# Altium PCB 物联网通用工装板V4(2).PcbDoc (part 2 of 2)
Units mil, origin at the board's own origin, x right, y up, seen from the top; angles counter-clockwise.
Board outline 5118.11 x 2283.5 mil, 2 copper layers (Top Layer, Bottom Layer); 260 components, 222 nets, 814 pads, 478 vias.
Unrouted connection lines stored in the file: 4.
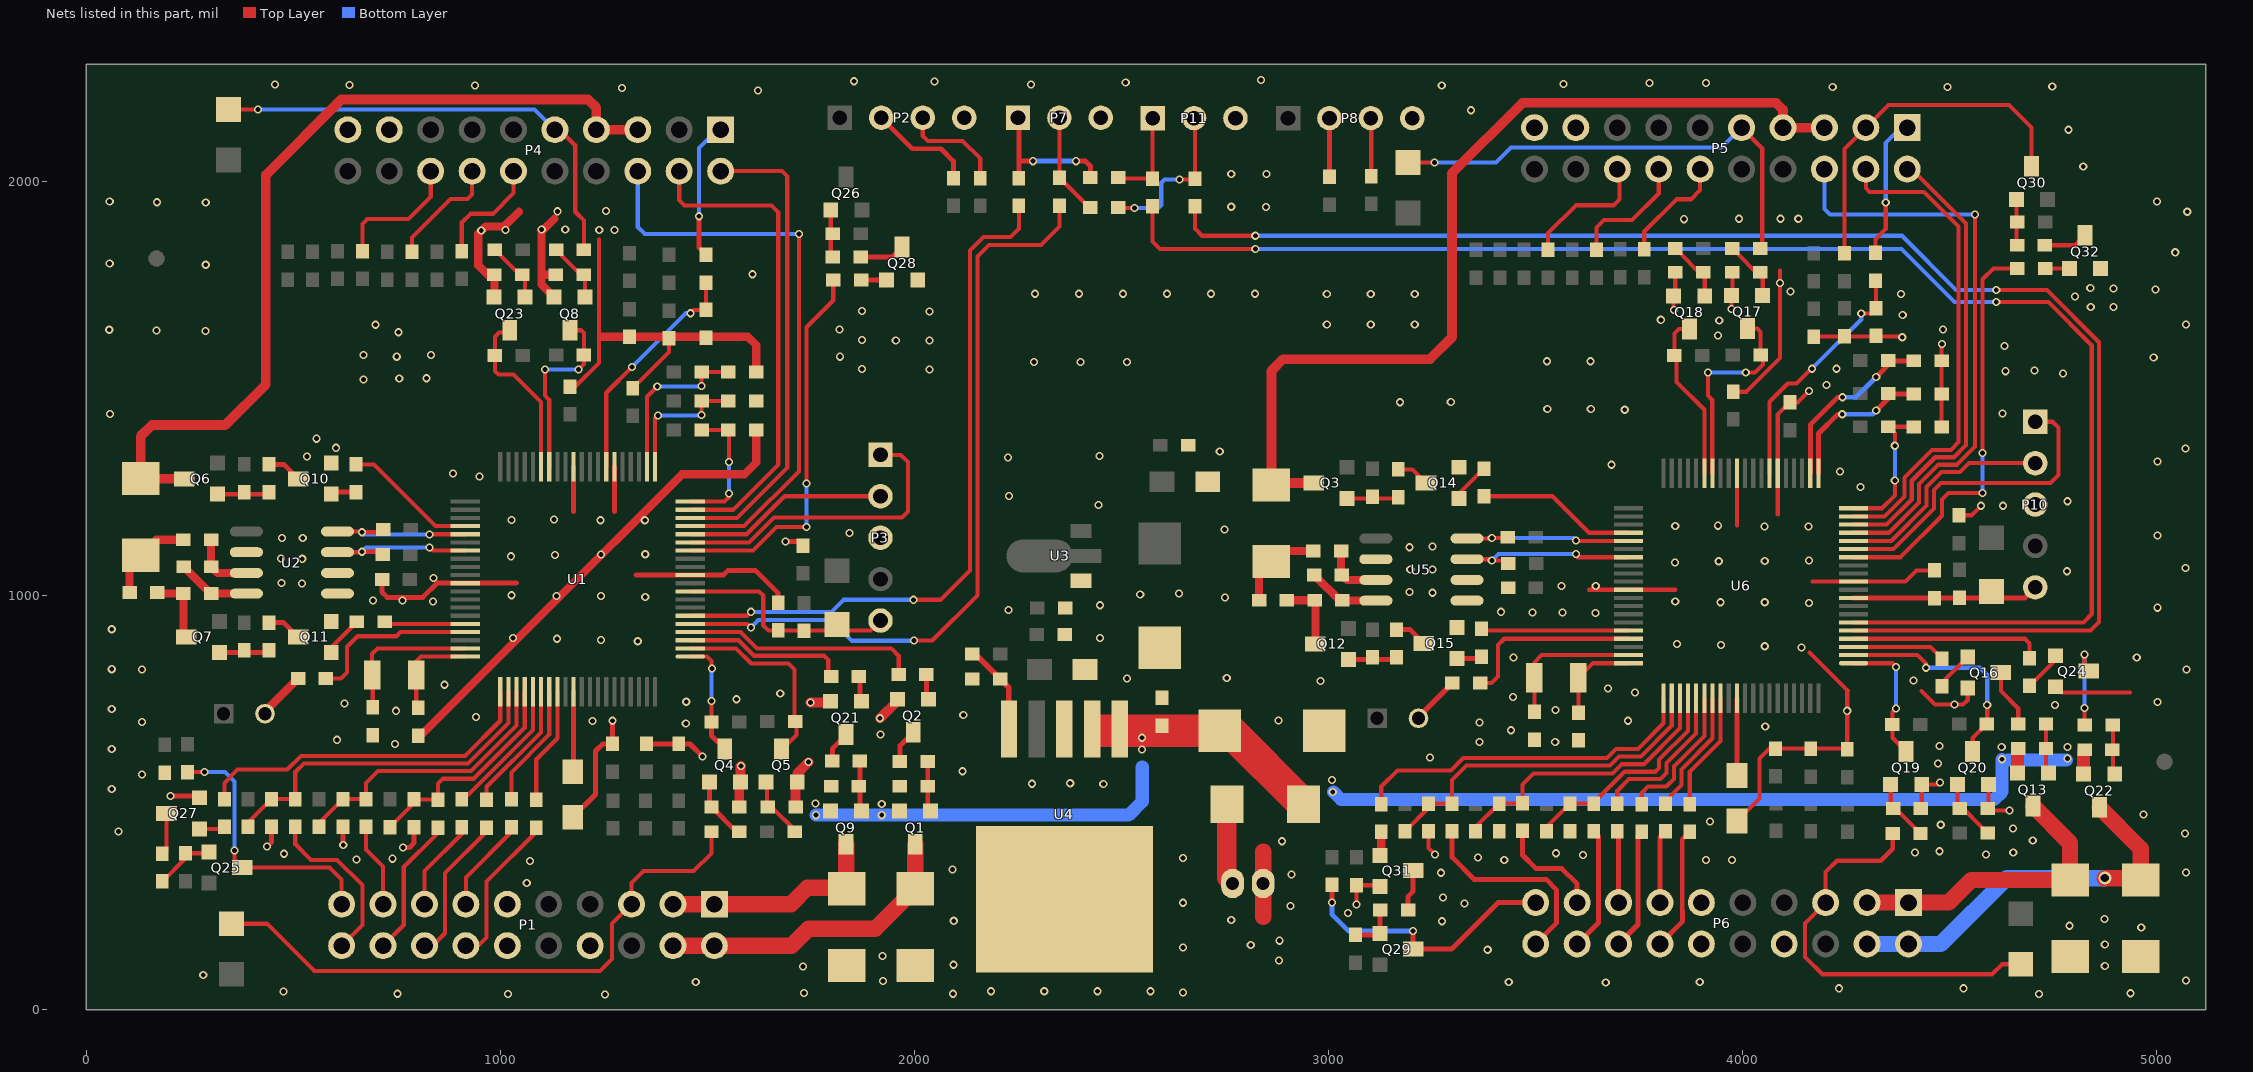
[diagram p2: the nets of this part, all layers, seen from the top]

## Via types
v1: diameter 19.68, hole 11.81, Top Layer to Bottom Layer, tented both sides, 469 vias
v2: diameter 31.5, hole 19.68, Top Layer to Bottom Layer, tented both sides, 9 vias

## Nets (pads, with @x,y where several pads share a name; then routed paths per layer and width w, separated by ;. In a path a pad name is that pad's centre, name@x,y a point inside that pad or via, vN(x,y) a via of type N, cw(c..) or ccw(c..) an arc to the next point about the centre after c; other vN are vias at no path point) (continued)
GND: C1.2 C2.1 C3.2 C4.1 C5.2 C6.2 C7.2 C8.2 C9.2 C10.2 C12.2 C13.2 C14.2 C15.2 C16.2 C17.2 C19.2 C20.2 C21.2 C22.2 C23.2 C24.2 C25.2 C26.2 D1.1 D7.1 D10.1 D11.1 P1.8 P1.11 P1.12 P2.4 P3.3 P4.17 P4.19 P5.17 P5.19 P6.8 P6.11 P6.12 P7.3 P8.4 P9.1 P10.3 P11.3 Q2.E Q4.E Q5.E Q8.E Q10.E Q11.E Q14.E Q15.E Q16.E Q17.E Q18.E Q19.E Q20.E Q21.E Q23.E Q24.E Q27.E Q28.E Q31.E Q32.E R2.2 R12.2 R13.2 R24.2 R25.2 R26.2 R27.2 R39.1 R52.1 R53.1 R54.1 R70.2 R71.2 R72.2 R82.2 R83.2 R84.2 R91.1 R92.1 R93.1 R111.2 R113.2 R114.2 R115.2 R116.2 R117.2 R118.2 R141.2 R144.2 R146.2 R148.2 R150.2 R152.2 R154.2 R164.2 U1.11 U1.26 U1.31 U1.51 U2.1 U2.2 U2.6 U3.1 U4.3 U4.6 U5.1 U5.2 U5.6 U6.11 U6.26 U6.31 U6.51 | length 8316
  Top Layer w10: C17.2@1168,1505 1181,1505 1238,1562 1238,1860 ; C5.2@1320,1501 1407,1588 R25.2@1407,1621 R25.2@1407,1625 ; v1(3067,254) R164.2@3067,301 3121,301 Q31.E@3124,298 ; R154.2@3241,431 3241,391 v1(3257,375) ; 3628.83,1014.16 U6.51@3724,1014.16 3836.83,1014.16 ; v1(3834,1690) 3833,1691 Q18.E@3833,1724 3837,1728 R116.2@3837,1781 ; v1(3973,1692) Q17.E@3973,1725 3975,1727 R115.2@3975,1781 ; C21.2@3977,1492.51 4008.51,1492.51 4090,1574 v1(4090,1755) 4090,1785 ; 3985.81,1169.81 U6.31@3985.81,1295.66 U6.31@3985.89,1295.74 ; C19.2@3986,456 4040,510 4040,607 4064,631 R84.2@4079,631 4250,631 R82.2@4252,629 4252,772 ; 4084.24,1195.76 U6.26@4084.24,1295.66 4084.24,1437.74 C22.2@4113,1466.51 ; C22.2@4114,1466.51 4132.51,1466.51 v1(4160,1494) ; 4161,863 4252,772 ; 4168,1033.85 U6.11@4267.31,1033.85 4392.33,1033.85 4419.48,1061 C26.2@4463,1061 ; R70.2@4171.35,1625.44 4383.56,1625.44 v1(4385,1624) ; 4254,770 4252,772 ; R117.2@4430,486 4432,488 Q19.E@4432,544 4471,544 v1(4476,549) ; 4431,770 4464,737 v1(4511,737) 4532,737 4543,748 Q16.E@4543,777 ; R91.1@4480,1407 R93.1@4480,1567 4480,1607 v1(4481,1608) ; C24.2@4522,1194 4552,1194 v1(4575,1217) ; Q20.E@4593,544 4593,488 R118.2@4591,486 4596,481 v1(4644,481) ; Q24.E@4755,780 4769,766 4935,766
  Top Layer w11.81: v1(204,516) 270,516 Q27.E@274,512 ; v1(437,394) 448,405 R148.2@448,442 ; R144.2@620,442 620,399 v1(621,398) ; C6.2@714.49,1039 714.49,1008.51 727,996 813,996 847.16,1030.16 U1.51@915.35,1030.16 1038.84,1030.16 ; v1(765,392) 781,392 792,403 R146.2@792,441 ; C16.2@1175,465 1230,520 1230,625 1247,642 R13.2@1271,642 v1(1271,698) ; 1177.16,1203.16 U1.31@1177.16,1311.65 ; 1272.5,1126.5 1275.58,1129.58 ; 1275.58,1203.58 U1.26@1275.58,1311.65 ; 1327.16,1049.84 U1.11@1458.65,1049.84 1538.84,1049.84 1549.62,1060.62 1616.38,1060.62 1671,1006 C9.2@1671,983 ; R12.2@1353,642 R27.2@1431,642 1458,642 v1(1488,612) ; v1(1689,1131) 1721,1131 C7.2@1731,1121
  Top Layer w19.68: C10.2@802,661.98 807.98,661.98 1272.5,1126.5 ; Q23.E@985,1721 986,1722 R111.2@986,1775 969,1775 947,1797 947,1874 964,1891 1009,1891 1045,1927 ; v1(1100,1884) 1099.78,1883.78 v1@1099.78,1878.78 ; Q8.E@1130,1721 1099.78,1751.22 1099.78,1774 ; 1131,1910 v1@1099.78,1878.78 ; R39.1@1134,1775 1100.78,1775 1099.78,1774 ; 1245,1625 R24.2@1312,1625 1407,1625 1598,1625 1618,1605 R54.1@1618,1540 ; 1275.58,1129.58 1439,1293 1589,1293 1618,1322 R52.1@1618,1400 ; 1099.78,1774 v1@1099.78,1878.78
  Top Layer w23.62: R113.2@1577,490 1577,547 Q4.E@1580,550 1580,588 v1(1581,589) ; R114.2@1713,490 1713,546 Q5.E@1717,550 1717,571 v1(1744,598) ; v1(1749,742) 1794,742 Q21.E@1797,745 ; v1(1917,704) 1959,746 Q2.E@1959,750
  Top Layer w39.37: 2842,224.11 P9.1@2842,305 2842,382.11
  other v1: 1253,37 1019,38 4715,38 752,39 2093,39 4936,40 1733,41 2648,42 477,44 2185,45 2313.33,45 2441.67,45 2570,45 4232,52 4533,52 3669,66 1472,67 3435,67 3896,67 1924,70 5070,71 283,84 1731,105 4874,106 2094,109 2880,119 1923,130 3384,145 2648,150.33 2812,157 4874,158 2881,167 4962,199 4789,203 3274,214 2095,215 2765,217 4873,219 3047,234 2908,251 3328,257 2648,258.67 3276,271 1064,306 2910,327 3271,331 5070,332 2092,339 1072,359 3424,362 3911,362 3974,362 653,363 740,365 2648,367 3361,368 3614,374 4587,375 478,377 3549,378 4416,380 4653,380 4475,383 2887,407 4700,409 5068,426 78,431 4652,438 4478,447 3921,455 4967,472 62,533 2456,545 2284,546 2376,547 135,568 2116,576 4471,595 3245,609 62,629.5 4475,637 746,642 3364,647 3547,647 606,652 1918,665 3440,675 4054.11,684 1448,691 3364,694 135,695 1223,697 3723,698 2879,699 941,707 2118,712 748,722 4252,722 3548,724 62,726 4754,736 624,740 5001,743 1449,744 1570,750 3445,755 1676,764 3740,766 3674.11,776 865.11,785 2980,794 4412,795 2513,800 2754,801 135,822 5071,822 62,822.5 3446,851 4951,851 4142,875 4053,878 3947,881 3841,883 1332,890 1243,893 1137,896 1031,898 2448,898 62,919 3644,958 3492,959 3565,959 3416,961 2227,965 5001,971 2448,977 4160,982 3946,984 4053,984 838,986 3837,986 693,988 764,988 2750,996 1350,997 1136,999 1243,999 1027,1001 2545,1003 2639,1005 3251,1007 3195,1009 3562,1023 3645,1023 521,1029 472,1031 839,1043 4783,1059 3197,1063 3251,1063 5069,1067 3836,1080 3942,1083 4053,1084 4160,1085 522,1089 471,1090 1026,1095 1132,1098 1243,1099 1350,1100 3195,1117 3251,1119 473,1139 523,1139 5001,1145 1843,1151 2749,1160 4052,1167 4159,1167 3837,1168 3940,1169 1242,1182 1349,1182 1027,1183 1130,1184 4628,1217 2444,1219 4784,1228 2228,1241 4284,1262 950,1288 886,1295 4235,1300 3683,1316 5001,1324 2226,1334 533,1336 2447,1337 2737,1348 5069,1355 603,1357 556,1379 58,1439 4627,1440 3715,1449 3528,1451 3633,1451 3172,1467 3295,1468 4202,1509 670,1522 756,1524 822,1525 4773,1536 4634,1542 4704,1544 2036,1546 1873,1547 4226,1548 2289,1564 2401,1564 2513,1564 3527,1566 3632,1566 4992,1575 750,1577 1820,1577 670,1581 833,1581 4632,1603 1955,1616 2036,1616 1873,1617 3940,1628 754,1636 288,1639 170,1640 56,1642 1819,1643 4483,1643 699,1654 2995.6,1655 3101.8,1655 3208,1655 5070,1655 3943,1664 3802,1666 4386,1678 2036,1686 1873,1687 4840,1697 4895,1697 4802,1722 2995.6,1728 3101.8,1728 3208,1728 4382,1728 2291,1729 2397.2,1729 2503.4,1729 2609.6,1729 2715.8,1729 2822,1729 4115,1734 4996,1739 4895,1742 4839,1743 1609,1776 289,1799 57,1802 5044,1829 954,1882 1013,1883 1239,1883 1276,1883 1157,1884 3858,1909 3991,1910 4091,1910 4134,1910 5073,1927 1138,1928 1255,1929 2849,1938 2765,1939 289,1949 171,1950 57,1952 5000,1952 2765,2018 2850,2018 4822,2036 4786,2125 3344,2172 1622,2220 1294,2226 4217,2228 4494,2228 4747,2229 939,2232 3273,2232 636,2233 456,2234 2281,2234 3567,2235 3775,2238 3911,2238 2510,2239 2048,2241 1854,2242 2837,2245
HALL1_PWR: D1.2 P1.2 P1.4 Q1.D | length 749.5
  Top Layer w39.37: P1.4@1417,155 P1.2@1517,155 1703,155 1744,196 1905.5,196 D1.2@2002,292.5 Q1.D@2002,400
HALL2_CHK: R121.1 U1.3 | length 393
  Top Layer w10: U1.3@1458.65,892.36 1574.92,892.36 1612.28,855 1782,855 1792,845 R121.1@1792,805
HALL2_PWR: D10.2 P1.1 P1.3 Q9.D | length 539.9
  Top Layer w39.37: P1.3@1417,255 P1.1@1517,255 1702,255 1741.5,294.5 1835,294.5 Q9.D@1835,400
HALL3_CHKS: R124.1 U6.4 | length 465.3
  Top Layer w10: U6.4@4267.31,896.06 4680.94,896.06 4692,885 R124.1@4692,849
HALL3_PWR: D11.2 P6.2 P6.4 Q22.D | length 945.6
  Top Layer w39.37: Q22.D@4861,489 4961,389 D11.2@4961,313.5 4956.5,318 v2(4874,318)
  Bottom Layer w39.37: P6.4@4300,159 P6.2@4400,159 4478,159 4637,318 v2(4874,318)
HALL4_CHKS: R66.1 U6.3 | length 225.4
  Top Layer w10: U6.3@4267.31,876.37 4452.63,876.37 R66.1@4481,848
HALL4_PWR: D7.2 P6.1 P6.3 Q13.D | length 727.9
  Top Layer w39.37: P6.3@4300,259 P6.1@4400,259 4497,259 4551.5,313.5 D7.2@4790,313.5 4790,403 Q13.D@4701,492
HALL_CHK: R9.1 U1.4 | length 572
  Top Layer w10: U1.4@1458.65,912.05 1580.51,912.05 1619.68,872.87 1944.13,872.87 1962,855 R9.1@1962,810
LED_CHK: R28.2 U1.57 | length 418.9
  Top Layer w10: R28.2@579,800 615,800 630,815 630,876.63 655.37,902 749,902 759.05,912.05 U1.57@915.35,912.05
LED_CHKS: R94.2 U6.57 | length 446.9
  Top Layer w10: R94.2@3366,789 3393,789 3409,805 3409,881 3424.06,896.06 U6.57@3724,896.06
MCLR: C9.1 D4.1 P3.5 R30.2 U1.9 | length 551
  Top Layer w10: U1.9@1458.65,1010.47 1624.53,1010.47 1635,1000 1635,928 1647.49,915.51 1893.51,915.51 P3.5@1918,940
MCLRS: C26.1 D9.1 P10.5 R90.2 U6.9 | length 449.3
  Top Layer w11.81: U6.9@4267.31,994.48 4680.48,994.48 P10.5@4706,1020
NetC11_1: C11.1 R33.1 U2.7 | length 155.9
  Top Layer w19.68: R33.1@302,1135 302,1070.49 C11.1@302.49,1070 317.49,1055 U2.7@387,1055
NetC11_2: C11.2 R37.1 U2.8 | length 178.4
  Top Layer w19.68: C11.2@235.49,1070 300.49,1005 R37.1@302,1005 U2.8@387,1005
NetC16_1: C16.1 U1.70 | length 194.2
  Top Layer w11.81: C16.1@1175,575 1177.16,577.16 U1.70@1177.16,768.35
NetC18_1: C18.1 R14.1 U5.7 | length 145.8
  Top Layer w19.68: R14.1@3030,1108 3030,1052 C18.1@3032,1050 3044,1038 U5.7@3114,1038
NetC18_2: C18.2 R16.1 U5.8 | length 174.7
  Top Layer w19.68: C18.2@2965,1050 3027,988 U5.8@3114,988
NetC19_1: C19.1 U6.70 | length 186.4
  Top Layer w11.81: U6.70@3985.81,752.35 3985.81,566.19 C19.1@3986,566
NetD2_1: D2.1 R14.2 R15.1 | length 217.5
  Top Layer w19.68: R15.1@2832,989 2832,1052.5 D2.1@2862,1082.5 2887.5,1108 R14.2@2963,1108
NetD3_2: D3.2 R28.1 | length 118.1
  Top Layer w19.68: D3.2@432,715 432,720 R28.1@512,800
NetD5_1: D5.1 R33.2 R36.1 | length 219.2
  Top Layer w19.68: R36.1@105,1008 105,1070.5 D5.1@132,1097.5 169.5,1135 R33.2@235,1135
NetD6_1: D6.1 P9.2 | length 164.7
  Top Layer w47.24: D6.1@2754.5,464 2754.5,318.76 P9.2@2768.26,305
NetD8_2: D8.2 R94.1 | length 102.4
  Top Layer w13.78: D8.2@3228,716 3228,718 R94.1@3299,789
NetP1_13: P1.13 R133.1 | length 231.6
  Top Layer w10: P1.13@917,255 917,320 1027,430 R133.1@1027,441
NetP1_14: P1.14 R127.2 | length 373
  Top Layer w10: P1.14@917,155 947,155 967,175 967,310 1087,430 R127.2@1087,440
NetP1_15: P1.15 R129.1 | length 223.3
  Top Layer w10: P1.15@817,255 817,335 907,425 R129.1@907,441
NetP1_16: P1.16 R134.2 | length 358.8
  Top Layer w10: P1.16@817,155 837,155 867,185 867,330 967,430 R134.2@967,440
NetP1_17: P1.17 R128.1 | length 204
  Top Layer w10: R128.1@676,442 676,387 717,346 P1.17@717,255
NetP1_18: P1.18 R130.2 | length 323.8
  Top Layer w10: P1.18@717,155 767,205 767,345 R130.2@847,425
NetP1_20: P1.20 R132.2 | length 411.7
  Top Layer w10: R132.2@505,442 505,400 543.13,361.87 606.13,361.87 667,301 667,205 P1.20@617,155
NetP2_2: P2.2 R3.1 | length 261.5
  Top Layer w11.81: P2.2@1920,2154 1995,2079 2064,2079 2094,2049 R3.1@2094,2005
NetP2_3: P2.3 R4.1 | length 254.8
  Top Layer w10: P2.3@2020,2154 2020,2110 2032.22,2097.78 2116.22,2097.78 2159,2055 R4.1@2159,2006
NetP6_13: P6.13 R135.1 | length 177.4
  Top Layer w11.81: P6.13@3800,259 3800,418 R135.1@3813,431
NetP6_14: P6.14 R136.2 | length 301.1
  Top Layer w11.81: P6.14@3800,159 3854,213 3854,239.27 3853.72,239.55 3853.72,411.72 R136.2@3872,430
NetP6_15: P6.15 R139.1 | length 173.2
  Top Layer w11.81: R139.1@3697,431 3700,428 P6.15@3700,259
NetP6_16: P6.16 R138.2 | length 294.2
  Top Layer w11.81: P6.16@3700,159 3747,206 3747,421 R138.2@3756,430
NetP6_17: P6.17 R137.1 | length 265.4
  Top Layer w11.81: R137.1@3467,431 R137.1@3468,432 3468,374 3501,341 3563,341 3600,304 P6.17@3600,259
NetP6_18: P6.18 R140.2 | length 298.5
  Top Layer w11.81: P6.18@3600,159 3652,211 3652,419 R140.2@3640,431
NetP6_20: P6.20 R142.2 | length 501.8
  Top Layer w11.81: R142.2@3296,429 R142.2@3298,431 3298,368 3351,315 3525,315 3550,290 3550,209 P6.20@3500,159
NetP8_2: P8.2 R40.2 | length 142
  Top Layer w11.81: R40.2@3002,2011 P8.2@3002,2153
NetP8_3: P8.3 R41.2 | length 140.4
  Top Layer w11.81: P8.3@3102,2153 3103,2152 R41.2@3103,2013
NetQ1_G: Q1.G R5.1 R6.2 | length 122.9
  Top Layer w11.81: R6.2@2032,600 R5.1@2032,540 2032,487 Q1.G@2039,480
NetQ2_B: Q2.B R9.2 | length 62.1
  Top Layer w11.81: R9.2@2029,810 2029,755 Q2.B@2034,750
NetQ2_C: Q2.C R6.1 | length 83.3
  Top Layer w11.81: R6.1@1965,600 1965,638 Q2.C@1997,670
NetQ3_G: Q3.G R58.2 R60.2 | length 125.2
  Top Layer w10: Q3.G@3044,1235 3165,1235 R60.2@3168,1238
NetQ4_B: Q4.B R38.1 R113.1 | length 153.9
  Top Layer w11.81: Q4.B@1505,550 1505,495 R113.1@1510,490 1570,430 R38.1@1577,430
NetQ5_B: Q5.B R112.1 R114.1 | length 152.9
  Top Layer w10: Q5.B@1644,550 1644,495 1649,490 1655,490 R112.1@1715,430
NetQ6_G: Q6.G R43.2 R49.2 | length 127.1
  Top Layer w11.81: Q6.G@317,1245 437,1245 R49.2@442,1250
NetQ7_G: Q7.G R44.1 R50.2 | length 122.1
  Top Layer w11.81: Q7.G@322,863 437,863 R50.2@442,868
NetQ8_B: Q8.B R39.2 R51.1 | length 149
  Top Layer w10: R51.1@1135,1835 1205,1765 Q8.B@1205,1715
NetQ9_G: Q9.G R119.1 R120.2 | length 122.2
  Top Layer w11.81: R120.2@1869,601 1869,483 Q9.G@1872,480
NetQ10_B: Q10.B R56.2 | length 62.1
  Top Layer w11.81: Q10.B@592,1245 597,1250 R56.2@652,1250
NetQ10_C: Q10.C R49.1 | length 84.5
  Top Layer w11.81: R49.1@442,1317 477,1317 Q10.C@512,1282
NetQ11_B: Q11.B R57.2 | length 99.7
  Top Layer w10: Q11.B@592,863 592,875 R57.2@654,937
NetQ11_C: Q11.C R50.1 | length 84.5
  Top Layer w11.81: R50.1@442,935 477,935 Q11.C@512,900
NetQ12_G: Q12.G R59.1 R61.2 | length 118.1
  Top Layer w11.81: Q12.G@3048,846 3159,846 R61.2@3164,851
NetQ13_G: Q13.G R62.1 R65.2 | length 120.5
  Top Layer w10: R65.2@4732,690 R62.1@4732,631 4732,578 Q13.G@4738,572
NetQ14_B: Q14.B R63.2 | length 96.9
  Top Layer w10: Q14.B@3315,1235 3315,1247 R63.2@3375,1307
NetQ14_C: Q14.C R60.1 | length 80.7
  Top Layer w10: R60.1@3168,1305 3202,1305 Q14.C@3235,1272
NetQ15_B: Q15.B R64.2 | length 61.1
  Top Layer w11.81: Q15.B@3310,848 3364,848 R64.2@3369,853
NetQ15_C: Q15.C R61.1 | length 79.7
  Top Layer w11.81: R61.1@3164,918 3197,918 Q15.C@3230,885
NetQ16_B: Q16.B R66.2 | length 96.7
  Top Layer w10: R66.2@4481,781 4481,790 Q16.B@4543,852
NetQ16_C: Q16.C R65.1 | length 142.4
  Top Layer w10: Q16.C@4623,815 4623,770 4665,728 R65.1@4665,690
NetQ17_B: Q17.B R75.1 R115.1 | length 143.2
  Top Layer w10: R75.1@3975,1838 4048,1765 Q17.B@4048,1725
NetQ18_B: Q18.B R76.1 R116.1 | length 143.4
  Top Layer w10: R76.1@3837,1838 3908,1767 Q18.B@3908,1724
NetQ19_B: Q19.B R85.1 R117.1 | length 147.8
  Top Layer w10: Q19.B@4357,544 4357,498 R85.1@4429,426
NetQ20_B: Q20.B R86.1 R118.1 | length 147.2
  Top Layer w10: Q20.B@4518,544 4518,500 R86.1@4591,427
NetQ21_B: Q21.B R121.2 | length 62.1
  Top Layer w11.81: R121.2@1869,805 1869,750 Q21.B@1874,745
NetQ21_C: Q21.C R120.1 | length 78.5
  Top Layer w11.81: R120.1@1802,601 1802,630 Q21.C@1837,665
NetQ22_G: Q22.G R122.1 R123.2 | length 120.7
  Top Layer w10: R123.2@4894,688 4894,573 Q22.G@4898,569
NetQ23_B: Q23.B R100.1 R111.1 | length 146
  Top Layer w10: R100.1@987,1835 R111.1@1050,1772 ; R111.1@1053,1775 1060,1768 Q23.B@1060,1721
NetQ24_B: Q24.B R124.2 | length 99.1
  Top Layer w10: R124.2@4692,782 4755,845 Q24.B@4755,855
NetQ24_C: Q24.C R123.1 | length 217.5
  Top Layer w10: v1(4825,729) 4825,690 R123.1@4827,688 ; v1(4825,858) 4825,828 Q24.C@4835,818
  Bottom Layer w10: v1(4825,729) 4822,732 4825,735 v1(4825,858)
NetQ25_G: Q25.G R155.2 R157.2 | length 149.4
  Top Layer w10: R157.2@184,310 240,366 R155.2@240,378 294,378 Q25.G@297,381
NetQ26_G: Q26.G R156.2 R158.2 | length 115.1
  Top Layer w11.81: Q26.G@1798,1931 1798,1823 R158.2@1803,1818
NetQ27_B: Q27.B R159.2 | length 62.1
  Top Layer w10: Q27.B@274,437 329,437 R159.2@334,442
NetQ27_C: Q27.C R157.1 | length 101.1
  Top Layer w10: R157.1@184,377 194,387 Q27.C@194,474
NetQ28_B: Q28.B R160.2 | length 62
  Top Layer w11.81: R160.2@1871,1762 Q28.B@1933,1762
NetQ28_C: Q28.C R158.1 | length 109.9
  Top Layer w11.81: R158.1@1870,1818 1946,1818 Q28.C@1970,1842
NetQ29_G: Q29.G R165.2 R167.2 | length 117.7
  Top Layer w11.81: R165.2@3065,181 3121,181 Q29.G@3124,184 3124,240 R167.2@3125,241
NetQ30_G: Q30.G R166.1 R168.2 | length 111.7
  Top Layer w10: Q30.G@4660.42,1957 4660.42,1847.58 R168.2@4662,1846
NetQ31_B: Q31.B R169.2 | length 58.2
  Top Layer w19.68: Q31.B@3124,373 3127,376 R169.2@3127,430
NetQ31_C: Q31.C R167.1 | length 100
  Top Layer w11.81: R167.1@3192,241 3192,274 3204,286 Q31.C@3204,336
NetQ32_B: Q32.B R170.2 | length 59
  Top Layer w10: R170.2@4730,1790 Q32.B@4789,1790
NetQ32_C: Q32.C R168.1 | length 106.9
  Top Layer w10: R168.1@4729,1846 4802,1846 Q32.C@4826,1870
NetR1_2: R1.2 R2.1 U4.5 | length 221.2
  Top Layer w13.78: R1.2@2140,859 2147,859 R2.1@2207,799 2227.56,778.44 2227.56,679 U4.5@2228.14,678.42
P0: R46.2 R52.2 U1.20 | length 325.6
  Top Layer w10: U1.20@1458.65,1227.01 1541.45,1227.01 1552,1237.55 v1(1552,1247) ; R46.2@1486,1400 R52.2@1551,1400 1552,1399 v1(1552,1323)
  Bottom Layer w10: v1(1552,1247) v1(1552,1323)
P0S: R87.2 R91.2 U6.20 | length 347.6
  Top Layer w10: U6.20@4267.31,1211.02 4336.01,1211.02 4367,1242 v1(4367,1278) ; v1(4367,1362) 4367,1392 R87.2@4351,1408 4412,1408 R91.2@4413,1407
  Bottom Layer w10: v1(4367,1278) v1(4367,1362)
P1: R47.2 R53.2 U1.21 | length 331.2
  Top Layer w10: U1.21@1374.01,1311.65 1374.01,1429.01 1380,1435 v1(1381,1435) ; v1(1486,1436) R47.2@1486,1470 R53.2@1551,1470
  Bottom Layer w10: v1(1381,1435) 1485,1435 v1(1486,1436)
P1S: R88.2 R92.2 U6.21 | length 365.8
  Top Layer w11.81: U6.21@4182.66,1295.66 4182.66,1391.66 4229,1438 v1(4240,1438) ; v1(4322,1447) 4362,1487 R92.2@4413,1487
  Bottom Layer w11.81: v1(4240,1438) 4313,1438 v1(4322,1447)
P2: R48.2 R54.2 U1.22 | length 410
  Top Layer w10: U1.22@1354.32,1311.65 1354.32,1480.32 v1(1379,1505) ; v1(1486,1506) R48.2@1486,1540 R54.2@1551,1540
  Bottom Layer w10: v1(1379,1505) 1485,1505 v1(1486,1506)
P2S: R89.2 R93.2 U6.22 | length 431.1
  Top Layer w11.81: U6.22@4162.98,1295.66 4162.98,1412.98 4229,1479 v1(4241,1479) ; v1(4322,1528) 4361,1567 R93.2@4413,1567
  Bottom Layer w11.81: v1(4241,1479) 4273,1479 v1(4322,1528)
PGEC3: P3.1 U1.15 | length 749.2
  Top Layer w10: U1.15@1458.65,1128.58 1600.14,1128.58 1660.56,1189 1970,1189 1984,1203 1984,1323 1967,1340 P3.1@1918,1340
PGEC3S: P10.1 U6.15 | length 771.8
  Top Layer w10: U6.15@4267.31,1112.59 4363.98,1112.59 4461.5,1210.11 4461.5,1255.22 4478.28,1272 4743,1272 4762,1291 4762,1406 4748,1420 P10.1@4706,1420
PGED3: P3.2 U1.16 | length 497.3
  Top Layer w10: U1.16@1458.65,1148.27 1594.54,1148.27 1686.28,1240 P3.2@1918,1240
PGED3S: P10.2 U6.16 | length 542.9
  Top Layer w10: U6.16@4267.31,1132.27 4358.39,1132.27 4443.62,1217.51 4443.62,1262.62 4479.38,1298.38 4524.49,1298.38 4546.11,1320 P10.2@4706,1320
R: P4.9 R51.2 R161.1 | length 1133.9
  Top Layer w10: R161.1@344,2174 v1(415,2174) ; P4.9@1132,2125 1143.34,2125 1181,2087.34 1181,1927 1202,1906 R51.2@1202,1835
  Bottom Layer w10: v1(415,2174) 1083,2174 P4.9@1132,2125
R2: P1.5 R38.2 R162.1 | length 1455.5
  Top Layer w10: R162.1@351,208 437,208 551,94 1241,94 1270,123 1270,208 P1.5@1317,255 1317,306 1346,335 1467,335 1510,378 R38.2@1510,430
R2S: P6.5 R85.2 R172.1 | length 996.2
  Top Layer w10: R85.2@4362,426 4362,389 4333,360 4227,360 4200,333 P6.5@4200,259 4150,209 4150,128 4192,86 4602,86 4626,110 R172.1@4671,110
RS: P5.9 R75.2 R171.1 | length 1154.6
  Top Layer w10: R171.1@3192,2046 v1(3256,2046) ; P5.9@3997,2130 4047,2080 4047,1843 R75.2@4042,1838
  Bottom Layer w10: v1(3256,2046) 3404,2046 3440,2082 3949,2082 P5.9@3997,2130
RTC: P4.1 R21.1 | length 329.3
  Top Layer w11.81: v1(1480,1916) 1480,1840 R21.1@1497,1823
  Bottom Layer w10: v1@1480,1922 1480,2080.99 1524.01,2125 P4.1@1532,2125
RTC0: R21.2 R26.1 U1.27 | length 571.1
  Top Layer w10: U1.27@1255.9,1311.65 1255.9,1489.9 v1(1318,1552) ; v1@1457,1680 v1(1459,1682) 1467,1690 R26.1@1497,1690 R21.2@1497,1756
  Bottom Layer w10: v1(1318,1552) 1448,1682 v1(1459,1682)
RTC0S: R68.2 R71.1 U6.27 | length 597.7
  Top Layer w10: U6.27@4064.55,1295.66 4064.55,1468.27 4108.41,1512.13 4130.04,1512.13 4165.91,1548 v1(4167,1548) ; v1(4286,1681) 4307.92,1681 R71.1@4321.35,1694.44 4321.35,1759.44 R68.2@4320.35,1760.44
  Bottom Layer w10: v1(4167,1548) 4286,1667 v1(4286,1681)
RTCS: P5.1 R68.1 | length 343.9
  Top Layer w10: R68.1@4320.35,1827.44 4320.35,1860.35 4346,1886 4345,1887 v1(4345,1949)
  Bottom Layer w10: v1(4345,1949) 4345,2093 4382,2130 P5.1@4397,2130
RX: P7.1 R23.1 R29.2 | length 359.1
  Top Layer w11.81: R23.1@2244,2008 2252,2016 2252,2049 ; P7.1@2250,2154 2252,2156 2252,2049 ; v1(2286,2049) 2252,2049 ; v1(2390,2049) 2413,2049 2425,2037 R29.2@2425,2010
  Bottom Layer w11.81: v1(2286,2049) v1(2390,2049)
RXD1: P4.2 U1.18 | length 1154
  Top Layer w10: U1.18@1458.65,1187.64 1571.64,1187.64 1693,1309 1693,2012 1680,2025 P4.2@1532,2025
RXD1S: P5.2 U6.18 | length 1108.9
  Top Layer w10: U6.18@4267.31,1171.65 4347.2,1171.65 4407.87,1232.32 4407.87,1277.43 4464.57,1334.13 4509.68,1334.13 4538.87,1363.32 4538.87,1898.4 4407.28,2030 P5.2@4397,2030
RXS: P11.1 R29.1 R125.1 | length 233.1
  Top Layer w10: R29.1@2492,2010 2495,2007 R125.1@2575,2007 2575,2151 2573,2153 P11.1@2575,2153
SCL: R32.1 U1.45 U2.4 | length 355.3
  Top Layer w10: U2.4@607,1155 664,1155 v1(666,1153) 700,1153 R32.1@707,1160 ; v1(829,1148) 829.27,1148.27 U1.45@915.35,1148.27
  Bottom Layer w10: v1(666,1153) 671,1148 v1(829,1148)
SCLS: R11.1 U5.4 U6.45 | length 433.3
  Top Layer w10: U5.4@3334,1138 3393,1138 v1(3394,1139) 3431,1139 R11.1@3433,1141 ; v1(3597,1133) 3597,1132.55 3597.28,1132.27 U6.45@3724,1132.27
  Bottom Layer w10: v1(3394,1139) 3591,1139 v1(3597,1133)
SDA: R31.1 U1.47 U2.3 | length 360.2
  Top Layer w10: U2.3@607,1105 665,1105 v1(666,1106) 699,1106 R31.1@707,1098 ; v1(829,1116) 836.1,1108.9 U1.47@915.35,1108.9
  Bottom Layer w10: v1(666,1106) 676,1116 v1(829,1116)
SDAS: R10.1 U5.3 U6.47 | length 446.5
  Top Layer w10: U5.3@3334,1088 3391,1088 v1(3394,1085) 3427,1085 R10.1@3434,1078 ; v1(3597,1101) 3597,1097 3601.1,1092.9 U6.47@3724,1092.9
  Bottom Layer w10: v1(3394,1085) 3410,1101 v1(3597,1101)
SET: P4.6 U1.17 | length 1415.1
  Top Layer w10: U1.17@1458.65,1167.95 1588.95,1167.95 1721,1300 v1(1721,1873)
  Bottom Layer w10: P4.6@1332,2025 1332,1890 1349,1873 v1@1715,1873
SETS: P5.6 U6.17 | length 1432
  Top Layer w10: U6.17@4267.31,1151.96 4352.79,1151.96 4425.75,1224.92 4425.75,1270.03 4471.97,1316.25 4517.08,1316.25 4561,1360.17 v1(4561,1920)
  Bottom Layer w10: P5.6@4197,2030 4197,1934 4211,1920 v1(4561,1920)
SOSCI: C8.1 U1.59 X1.2 | length 359.8
  Top Layer w10: C8.1@692,730.49 692,807.19 X1.2@690.7,808.49 690.7,859.7 703.68,872.68 U1.59@915.35,872.68
SOSCIS: C20.1 U6.59 X2.2 | length 354.3
  Top Layer w10: C20.1@3497,719.49 3496.7,719.79 X2.2@3496.7,802 3496.7,839 3514.39,856.69 U6.59@3724,856.69
SOSCO: C10.1 U1.60 X1.1 | length 237.4
  Top Layer w10: C10.1@802,728.98 797,733.98 X1.1@797,808.49 797,841 808.99,852.99 U1.60@915.35,852.99
SOSCOS: C25.1 U6.60 X2.1 | length 220
  Top Layer w10: C25.1@3603,717.49 X2.1@3603,802 3638,837 U6.60@3724,837
TP3_CHK: R160.1 U1.14 | length 926.9
  Top Layer w10: U1.14@1458.65,1108.9 1609.9,1108.9 1667,1166 v1(1739,1166) ; v1(1739,1271) 1739,1648 1804,1713 R160.1@1804,1762
  Bottom Layer w10: v1(1739,1166) v1(1739,1271)
TP3_CHKS: R170.1 U6.14 | length 1009.7
  Top Layer w10: U6.14@4267.31,1092.9 4380.9,1092.9 4481,1193 4481,1232 4497,1248 v1(4579,1248) ; v1(4578.87,1344.76) 4578.87,1763.87 4605,1790 R170.1@4663,1790
  Bottom Layer w10: v1(4578.87,1344.76) 4579,1344.64 v1(4579,1248)
TP3S: P5.3 Q30.D R69.1 | length 864.2
  Top Layer w10: R69.1@4245.5,1826.44 4245.5,2078.5 P5.3@4297,2130 4352,2185 4643,2185 4697.42,2130.58 Q30.D@4697.42,2037
TP7: P1.19 Q25.D R131.1 | length 649.4
  Top Layer w10: R131.1@245,574 v1(286,574) ; v1(358,385) 358,363 Q25.D@377,344 588,344 617,315 P1.19@617,255
  Bottom Layer w10: v1(286,574) 335,574 358,551 v1(358,385)
TP7_CHK: R159.1 U1.61 | length 837.5
  Top Layer w10: R159.1@334,509 334,548 366,580 485.72,580 518.6,612.87 914.87,612.87 999.99,697.99 U1.61@999.99,768.35
TP7_CHKS: R169.1 U6.61 | length 847.4
  Top Layer w10: R169.1@3127,497 3127,539 3166,578 3295,578 3325,608 3672.17,608 3694.04,629.87 3746.6,629.87 3808.65,691.92 U6.61@3808.65,752.35
TP7S: P6.19 Q29.D R163.1 | length 669.4
  Top Layer w11.81: v1(3008,259) R163.1@3008,302 ; v1(3204,190) Q29.D@3204,147 3297,147 3409,259 P6.19@3500,259
  Bottom Layer w11.81: v1(3008,259) 3008,231 3049,190 v1(3204,190)
TX: P7.2 R17.2 R18.1 | length 249.8
  Top Layer w10: P7.2@2350,2154 R18.1@2350,2009 2422,1937 R17.2@2425,1937
TXD1: P4.4 U1.19 | length 1188.4
  Top Layer w10: P4.4@1432,2025 1432,1955 1445,1942 1655,1942 1671,1926 1671,1316 1562.32,1207.32 U1.19@1458.65,1207.32
TXD1S: P5.4 U6.19 | length 1183.2
  Top Layer w10: U6.19@4267.31,1191.33 4341.61,1191.33 4390,1239.72 4390,1284.83 4457.17,1352 4502.28,1352 4521,1370.72 4521,1891 4437,1975 4306,1975 4297,1984 P5.4@4297,2030
TXS: P11.2 R17.1 R126.1 | length 396.1
  Top Layer w10: R17.1@2492,1937 2493,1936 v1(2531,1936) ; v1(2640,2005) 2675,2005 R126.1@2677,2007 2677,2149 2673,2153 P11.2@2675,2153
  Bottom Layer w10: v1(2531,1936) 2589,1936 2596,1943 2596,1997 2604,2005 v1(2640,2005)
UART_RX: R18.2 U1.5 | length 1867.5
  Top Layer w10: U1.5@1458.65,931.73 1596.27,931.73 v1(1605,923) ; v1(1999,892) 2043,892 2151.87,1000.87 2151.87,1818.87 2180,1847 2306,1847 2350,1891 R18.2@2350,1942
  Bottom Layer w10: v1(1605,923) 1623,941 1799,941 1849,891 1998,891 v1(1999,892)
UART_RXS: R126.2 U6.5 | length 3628.1
  Top Layer w10: R126.2@2677,1940 2677,1886 2694,1869 v1(2823,1869) ; U6.5@4267.31,915.74 4839.74,915.74 4860.37,936.37 4860.37,1611.9 4734.28,1738 v1(4612,1738)
  Bottom Layer w10: v1(2823,1869) 4384,1869 4515,1738 v1(4612,1738)
UART_TX: R23.2 U1.6 | length 1687.7
  Top Layer w10: U1.6@1458.65,951.42 1595.42,951.42 v1(1605,961) ; v1(1998,990) 2063,990 2134,1061 2134,1833 2167,1866 2232,1866 2252,1886 R23.2@2252,1941
  Bottom Layer w10: v1(1605,961) 1800,961 1829,990 v1(1998,990)
UART_TXS: R125.2 U6.6 | length 3688.8
  Top Layer w10: R125.2@2575,1940 2575,1855 2593,1837 v1(2823,1837) ; U6.6@4267.31,935.43 4822.42,935.43 4842.5,955.5 4842.5,1604.5 4738,1709 v1(4612,1709)
  Bottom Layer w10: v1(2823,1837) 4383,1837 4511,1709 v1(4612,1709)
VALVE_B: Q23.C R99.2 U1.35 | length 421.4
  Top Layer w10: Q23.C@1023,1635 996.87,1635 987,1625.13 987,1568 987,1542 995.38,1533.62 1032.38,1533.62 1075.13,1490.87 1075.13,1490.6 1098.42,1467.31 U1.35@1098.42,1311.65
VALVE_B2: Q5.C R35.2 U1.2 | length 478.4
  Top Layer w10: U1.2@1458.65,872.68 1569.32,872.68 1606,836 1696,836 1710,822 R35.2@1710,696 ; Q5.C@1681,630 1715,664 R35.2@1715,696
VALVE_B2S: Q20.C R81.2 U6.2 | length 547.8
  Top Layer w10: U6.2@4267.31,856.69 4421.31,856.69 4442,836 v1(4442,826) ; Q20.C@4555,624 4555,656 R81.2@4589,690 4590,691 v1(4590,736)
  Bottom Layer w10: v1(4442,826) 4573,826 4590,809 v1(4590,736)
VALVE_BS: Q18.C R74.2 U6.35 | length 405.7
  Top Layer w10: R74.2@3835,1580 3835,1633 3846,1644 Q18.C@3871,1644 ; R74.2@3840,1580 3840,1516 3907.07,1448.93 U6.35@3907.07,1295.66
VALVE_R: Q8.C R42.2 U1.34 | length 449.8
  Top Layer w10: v1(1108,1546) 1108,1483 1118.1,1472.9 U1.34@1118.1,1311.65 ; Q8.C@1168,1641 1195,1641 1202,1634 R42.2@1202,1581 1202,1559 v1(1189,1546)
  Bottom Layer w10: v1(1108,1546) v1(1189,1546)
VALVE_R2: Q4.C R34.2 U1.1 | length 282
  Top Layer w10: U1.1@1458.65,852.99 1499.01,852.99 1510,842 1510,825 v1(1511,824) ; R34.2@1510,695 v1(1510,746)
  Top Layer w11.81: R34.2@1510,695 1510,662 Q4.C@1542,630
  Bottom Layer w10: v1(1510,746) 1510,823 v1(1511,824)
VALVE_R2S: Q19.C R80.2 U6.1 | length 327.8
  Top Layer w10: U6.1@4267.31,837 4361,837 v1(4370,828) ; v1(4370,728) 4361,719 R80.2@4361,689 4361,657 Q19.C@4394,624
  Bottom Layer w10: v1(4370,728) v1(4370,828)
VALVE_RS: Q17.C R73.2 U6.34 | length 502.8
  Top Layer w10: v1(3916,1539) 3916,1483 3926.22,1472.78 3926.22,1296.2 U6.34@3926.76,1295.66 ; v1(4007,1539) 4029.72,1539 4049,1558.28 R73.2@4049,1581 ; Q17.C@4011,1645 4035,1645 4043,1637 R73.2@4043,1581
  Bottom Layer w10: v1(3916,1539) v1(4007,1539)
VI: D5.2 P4.5 P4.7 Q6.D | length 2102.2
  Top Layer w23.62: Q6.D@237,1282 236.5,1282.5 D5.2@132,1282.5 132,1385 159,1412 336,1412 434,1510 434,2016 616,2198 1212,2198 1232,2178 P4.7@1232,2125 P4.5@1332,2125
VI-: Q7.D R36.2 R37.2 | length 172.1
  Top Layer w19.68: R36.2@172,1008 175,1005 R37.2@235,1005 235,907 Q7.D@242,900
VI-S: Q12.D R15.2 R16.2 | length 173.8
  Top Layer w19.68: R15.2@2899,989 R16.2@2966,989 2968,987 Q12.D@2968,883
VI_CHK: R56.1 U1.44 | length 325.1
  Top Layer w10: R56.1@652,1317 695,1317 844.05,1167.95 U1.44@915.35,1167.95
VI_CHKS: R63.1 U6.44 | length 385.5
  Top Layer w10: R63.1@3375,1240 3540.44,1240 3628.48,1151.96 U6.44@3724,1151.96
VIN: C1.1 C2.2 D6.2 Q1.S Q9.S Q13.S Q22.S R5.2 R62.2 R119.2 R122.2 U4.1 U4.2 | length 3412.1
  Top Layer w31.5: Q13.S@4663,572 4663,629 R62.2@4665,631 ; Q22.S@4823,569 R122.2@4823,624
  Top Layer w78.74: 2450,674 C1.1@2737.02,674 2761.5,674 D6.2@2939.5,496
  Bottom Layer w31.5: v1(1762,470) v1(1921,470) 2517,470 2550,503 2550,586 ; v1@3012,526 3030,508 4607,508 4626,527 v1(4626,605) ; 4640,603 v1@4782,603
  other v1: 1921,497 1761,498 3010,526 3008,555 4784,607 2549,629 4625,635 4784,635 2549,657
VIS: D2.2 P5.5 P5.7 Q3.D | length 2264.4
  Top Layer w23.62: Q3.D@2964,1272 2866.5,1272 D2.2@2862,1267.5 2862,1543 2890,1571 3245,1571 3298,1624 3298,2020 3468,2190 4080,2190 4097,2173 P5.7@4097,2130 P5.5@4197,2130
VO_CHK: R57.1 U1.56 | length 196.5
  Top Layer w10: R57.1@721,937 726.27,931.73 U1.56@915.35,931.73
VO_CHKS: R64.1 U6.56 | length 356.8
  Top Layer w10: R64.1@3369,920 3373.26,915.74 U6.56@3724,915.74
WY_POW: P4.14 R103.1 | length 279.1
  Top Layer w10: R103.1@787,1830 787,1865 879.75,1957.75 920.75,1957.75 932,1969 P4.14@932,2025
WY_POWS: P5.14 R101.1 | length 297
  Top Layer w10: R101.1@3647,1835 3647,1889 3664.74,1906.74 3732.74,1906.74 3797,1971 P5.14@3797,2030
WY_SCL: P4.12 R104.2 | length 276.4
  Top Layer w10: R104.2@907,1832 907,1901 928,1922 982.03,1922 1032,1971.97 P4.12@1032,2025
WY_SCLS: P5.12 R98.2 | length 270.4
  Top Layer w10: R98.2@3762,1836 3762,1879 3840,1957 3875,1957 3897,1979 P5.12@3897,2030
WY_SDA: P4.16 R105.2 | length 319.3
  Top Layer w10: R105.2@667,1832 667,1897 679,1909 778,1909 832,1963 P4.16@832,2025
WY_SDAS: P5.16 R102.2 | length 321.3
  Top Layer w10: R102.2@3530,1835 3530,1875.48 3597,1942.48 3687.48,1942.48 3702,1957 3702,2025 P5.16@3697,2030
YL1: R132.1 R147.2 R148.1 U1.62 | length 852.3
  Top Layer w10: R147.2@391,442 391,452 R148.1@448,509 R132.1@505,509 505,574 526,595 922.28,595 1019.68,692.4 U1.62@1019.68,768.35
YL1S: R142.1 R153.2 R154.1 U6.62 | length 855.4
  Top Layer w10: R153.2@3184,431 3241,488 R154.1@3241,498 R142.1@3298,498 3298,555 3333,590 3679.44,590 3701.44,612 3754,612 3828.33,686.33 U6.62@3828.33,752.35
YL3: R130.1 R145.2 R146.1 U1.64 | length 540.6
  Top Layer w10: R145.2@734,441 792,499 R146.1@792,508 849,508 R130.1@850,507 850,546 862.08,558.08 935.92,558.08 1059.05,681.21 U1.64@1059.05,768.35
YL3S: R140.1 R151.2 R152.1 U6.64 | length 539.6
  Top Layer w10: R151.2@3526,431 3526,441 R152.1@3583,498 R140.1@3640,498 3640,500 3715,575 3789,575 3798,584 3798,604 3867.7,673.7 U6.64@3867.7,752.35
YL4: R128.2 R143.2 R144.1 U1.63 | length 688.4
  Top Layer w10: R143.2@562,442 562,451 R144.1@620,509 R128.2@676,509 676,548 704.72,576.72 929.27,576.72 1039.36,686.81 U1.63@1039.36,768.35
YL4S: R137.2 R149.2 R150.1 U6.63 | length 700.7
  Top Layer w10: R149.2@3355,431 3355,441 R150.1@3412,498 3467,498 R137.2@3468,499 3468,544 3495,571 3685.72,571 3707.6,592.87 3760.87,592.87 3848.02,680.02 U6.63@3848.02,752.35
YL5: R134.1 U1.66 | length 315.8
  Top Layer w10: R134.1@967,507 967,538.61 1098.42,670.03 U1.66@1098.42,768.35
YL5S: R138.1 U6.66 | length 343.7
  Top Layer w10: R138.1@3756,497 3756,524 3771.13,539.13 3815.13,539.13 3833.75,557.75 3833.75,588.03 3907.07,661.35 U6.66@3907.07,752.35
YL6: R129.2 U1.65 | length 333.9
  Top Layer w10: R129.2@907,508 911.11,508 1078.73,675.62 U1.65@1078.73,768.35
YL6S: R139.2 U6.65 | length 377.7
  Top Layer w10: R139.2@3697,498 3697,529 3725,557 3801,557 3815.87,571.87 3815.87,595.87 3887.39,667.39 U6.65@3887.39,752.35
YL7: R127.1 U1.68 | length 282.4
  Top Layer w10: R127.1@1087,507 1087,605 1137.79,655.79 U1.68@1137.79,768.35
YL7S: R136.1 U6.68 | length 286.2
  Top Layer w10: R136.1@3872,497 3872,575 3946.44,649.44 U6.68@3946.44,752.35
YL8: R133.2 U1.67 | length 298.1
  Top Layer w10: R133.2@1027,508 1027,573.33 1118.1,664.44 U1.67@1118.1,768.35
YL8S: R135.2 U6.67 | length 301.5
  Top Layer w10: R135.2@3813,498 3813,504 3851.62,542.62 3851.62,580.62 3926.76,655.76 U6.67@3926.76,752.35
pads on no net: U1.8 U1.13 U1.23 U1.24 U1.33 U1.46 U1.49 U1.50 U1.52 U1.53 U1.54 U1.55 U1.58 U1.69 U1.71 U1.72 U1.73 U1.74 U1.75 U1.76 U1.77 U6.8 U6.13 U6.23 U6.24 U6.33 U6.46 U6.49 U6.50 U6.52 U6.53 U6.54 U6.55 U6.58 U6.69 U6.71 U6.72 U6.73 U6.74 U6.75 U6.76 U6.77

## Polygon pours and split planes (outlines as drawn)
VIN on Top Layer "Top Layer-No Net" (solid, remove dead copper, pour order 33): 4827,650 4773,650 4769,646 4769,591 4773,587 4798,587 4805,580 4841,580 4844,583 4844,630 4844,646 4840,650 4828,650
VIN on Top Layer "Top Layer-No Net" (solid, remove dead copper, pour order 32): 4680,630 4686,636 4686,644 4686,647 4683,650 4614,650 4610,646 4610,594 4614,590 4640,590 4645,585 4683,585 4685,587 4686,588 4686,636
VIN on Top Layer "Top Layer-No Net" (solid, remove dead copper, pour order 28): 2898,583 2911,570 3020,570 3026,564 3026,562 3026,515 3020,509 2990,509 2970,489 2898,561 2898,583
VIN on Top Layer "Top Layer-No Net" (solid, remove dead copper, pour order 27): 2490,609 2573,609 2582,618 2603,639 2603,647 2495,647 2488,640 2488,608
6V on Top Layer "Top Layer-No Net" (solid, remove dead copper, pour order 26): 2275,1373 2275,1420 2265,1430 2265,1450 2272,1457 2319,1457 2327,1449 2327,1430 2317,1420 2315,1418 2315,1382 2306,1373 2275,1373
3.3V on Top Layer "Top Layer-No Net" (solid, remove dead copper, pour order 23): 2613,1300 2613,1381 2605,1389 2538,1389 2531,1382 2531,1331 2568,1294 2607,1294 2613,1300
VIN on Top Layer "Top Layer-No Net" (solid, pour order 20): 1811,563 1781,563 1777,559 1777,516 1774,513 1773,512 1751,512 1746,507 1746,458 1749,455 1818,455 1821,458 1821,559 1817,563 1811,563
VIN on Top Layer "Top Layer-No Net" (solid, remove dead copper, pour order 18): 1985,554 1985,458 1981,454 1913,454 1910,454 1906,458 1906,510 1910,514 1938,514 1942,518 1942,522 1942,555 1945,558 1982,558 1985,555 1985,554
GND on Top Layer "Top Layer-No Net" (solid, remove dead copper, pour order 59): 0,2283.46 5118.11,2283.46 5118.11,0 0,0 0,2283.47
VIN on Bottom Layer "Top Layer-No Net" (solid, remove dead copper, pour order 34): 2566,582 2566,665 2560,671 2540,671 2534,665 2534,512 2534,500 2567,533 2566,534 2566,582
VIN on Bottom Layer "Top Layer-No Net" (solid, remove dead copper, pour order 31): 4744,619 4763,619 4768,624 4769,625 4769,635 4769,646 4773,650 4794,650 4798,646 4798,595 4792,589 4790,587 4744,587 4744,619
VIN on Bottom Layer "Top Layer-No Net" (solid, remove dead copper, pour order 30): 4610,598 4610,646 4614,650 4634,650 4638,646 4638,627 4650,615 4657,608 4657,587 4633,563 4610,563 4610,598
VIN on Bottom Layer "Top Layer-No Net" (solid, remove dead copper, pour order 29): 3055,492 3013,492 2993,512 2993,521 2993,564 2999,570 3020,570 3026,564 3026,535 3041,520 3042,520 3055,507 3055,492
6V on Bottom Layer "Top Layer-No Net" (solid, remove dead copper, pour order 25): 2221,1456 2239,1456 2269,1426 2270,1425 2322,1425 2359,1462 2366,1462 2221,1462 2219,1460 2220,1459 2220,1457
3.3V on Bottom Layer "Top Layer-No Net" (solid, remove dead copper, pour order 24): 2613,1378 2573,1378 2564,1369 2564,1332 2558,1326 2538,1326 2531,1333 2531,1390 2537,1396 2539,1398 2571,1398 2593,1398 2613,1378
VIN on Bottom Layer "Top Layer-No Net" (solid, remove dead copper, pour order 21): 1775,454 1750,454 1747,457 1746,458 1746,470 1746,507 1750,511 1751,512 1756,512 1771,512 1774,509 1775,508 1775,507 1775,490 1779,486 1785,486 1905,486 1908,489 1908,501 1908,507 1911,510 1931,510 1934,507 1934,489 1938,485 1938,455 1937,454 1775,454
GND on Bottom Layer "Top Layer-No Net" (solid, remove dead copper, pour order 57): 0,2283.47 5118.11,2283.47 5118.11,2283.46 5118.11,2 2,2 0,0 0,2283.46

## Keep-outs
Keep-Out Layer:
  circle w10: c157.48,157.48 r59.06
  circle w10: c157.48,2125.98 r59.06
  circle w10: c4960.63,2125.98 r59.06
  lines w10: 0,-0.04 5118.11,-0.04 ; 0,0 0,2283.46 5118.11,2283.46 5118.11,0

## Other copper
Top Layer:
  pour cut-out: 39.37,2125.98 ccw(c157.48,2125.98) 157.48,2007.87 ccw(c157.48,2125.98) 275.59,2125.98 ccw(c157.48,2125.98) 157.48,2244.09 ccw(c157.48,2125.98)
  pour cut-out: 39.37,157.48 ccw(c157.48,157.48) 157.48,39.37 ccw(c157.48,157.48) 275.59,157.48 ccw(c157.48,157.48) 157.48,275.59 ccw(c157.48,157.48)
  pour cut-out: 4842.52,2125.98 ccw(c4960.63,2125.98) 4960.63,2007.87 ccw(c4960.63,2125.98) 5078.74,2125.98 ccw(c4960.63,2125.98) 4960.63,2244.09 ccw(c4960.63,2125.98)
  pour cut-out: 110.94,1814 ccw(c170,1814) 170,1754.94 ccw(c170,1814) 229.06,1814 ccw(c170,1814) 170,1873.06 ccw(c170,1814)
  pour cut-out: 4958.94,599 ccw(c5018,599) 5018,539.94 ccw(c5018,599) 5077.06,599 ccw(c5018,599) 5018,658.06 ccw(c5018,599)
Bottom Layer:
  pour cut-out: 39.37,2125.98 ccw(c157.48,2125.98) 157.48,2007.87 ccw(c157.48,2125.98) 275.59,2125.98 ccw(c157.48,2125.98) 157.48,2244.09 ccw(c157.48,2125.98)
  pour cut-out: 39.37,157.48 ccw(c157.48,157.48) 157.48,39.37 ccw(c157.48,157.48) 275.59,157.48 ccw(c157.48,157.48) 157.48,275.59 ccw(c157.48,157.48)
  pour cut-out: 4842.52,2125.98 ccw(c4960.63,2125.98) 4960.63,2007.87 ccw(c4960.63,2125.98) 5078.74,2125.98 ccw(c4960.63,2125.98) 4960.63,2244.09 ccw(c4960.63,2125.98)
  pour cut-out: 110.94,1814 ccw(c170,1814) 170,1754.94 ccw(c170,1814) 229.06,1814 ccw(c170,1814) 170,1873.06 ccw(c170,1814)
  pour cut-out: 4958.94,599 ccw(c5018,599) 5018,539.94 ccw(c5018,599) 5077.06,599 ccw(c5018,599) 5018,658.06 ccw(c5018,599)

## Silkscreen, mask and mechanical layers (free items; w line width, h text height)
Top Overlay:
  circle w10: c4960.63,2125.98 r118.11
  circle w10: c157.48,2125.98 r118.11
  circle w10: c157.48,157.48 r118.11
  text "G" at 2103,2221.66 h59.06
  text "G" at 2432,2221.66 h59.06
  text "G" at 2758,2221.66 h59.06
  text "G" at 3182,2221.66 h59.06
  text "RX" at 1887,2221 h59.06
  text "RX" at 2319,2221 h59.06
  text "RX" at 2645,2221 h59.06
  text "RX" at 2965,2221 h59.06
  text "PG" at 4768.11,1401 h39.37
  text "PG" at 1985.11,1320 h39.37
  text "MCLR" at 4774.11,999 h39.37
  text "MCLR" at 1984.11,919 h39.37
  text "T" at 609,58 h59.06
  text "R" at 696,58 h59.06
  text "GND" at 2808,13 h59.06
  text "+" at 2723,3 h59.06
Bottom Overlay:
  text "中燃CPU民用物联网表测试板" at 2773,1757 h118.11
  text "2019-3-16" at 2768,1598 h118.11
  text "V4(2)" at 2766,1445 h118.11